# Altium PCB BabbleVR_PCB.PcbDoc (continued)
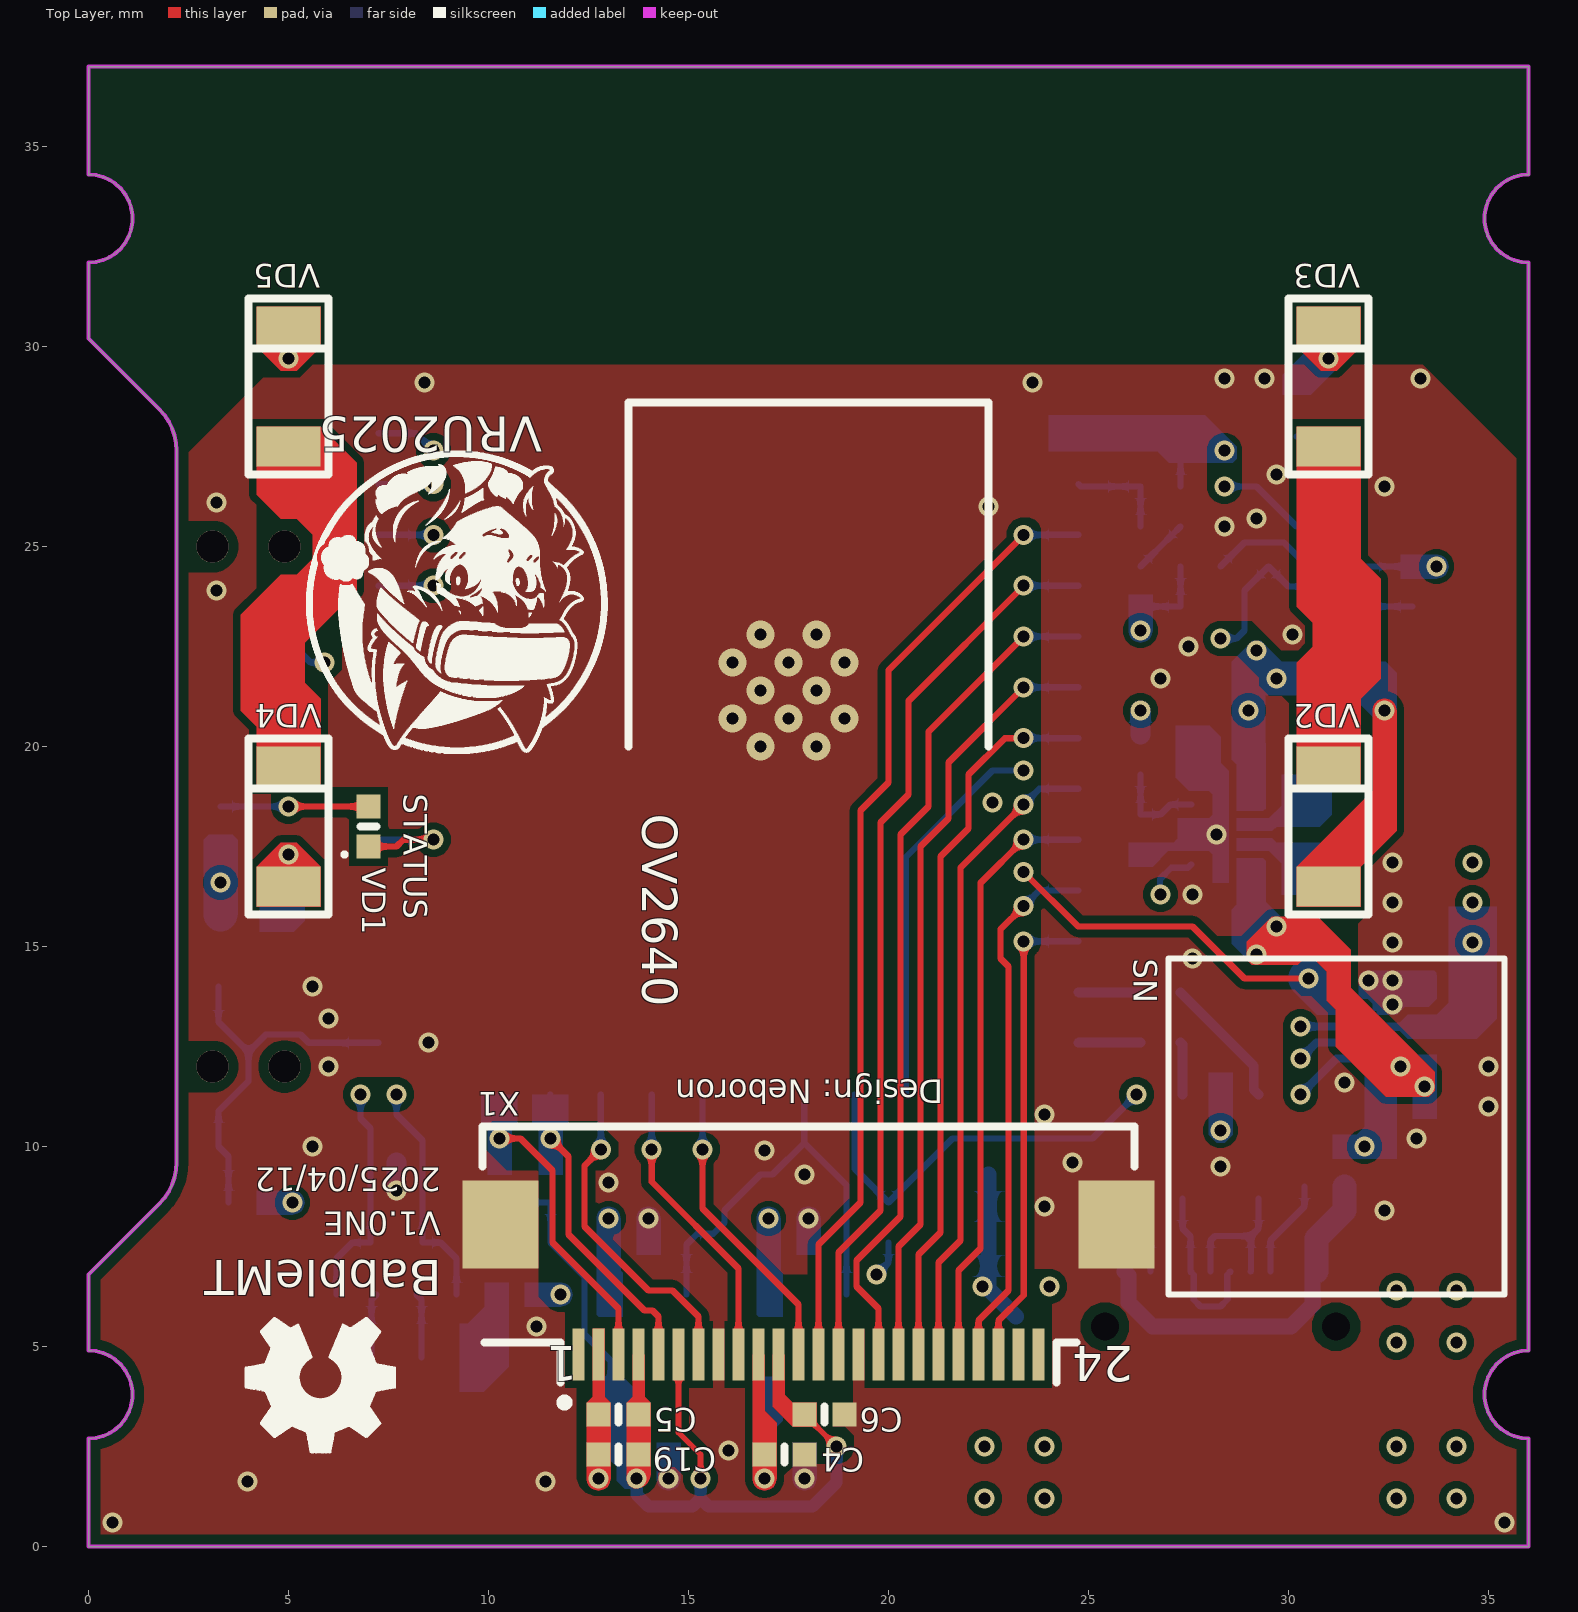
[diagram p0: Top Layer view]
## Components (designator, comment, footprint, x,y, rotation, side; value= is the part's Value field where it differs from the comment) (continued)
R16 "Resistor film, 22R, ±5%, 0402, 0.063W, -55...+125°C" "RES: 0402" 26.8,13.85 r0 bottom value=22R
R17 "Resistor film, 10k, ±5%, 0402, 0.063W, -55...+125°C" "RES: 0402" 20,8.1 r90 bottom value=10k
R18 "Resistor film, 5.1k, ±5%, 0402, 0.063W, -55...+125°C" "RES: 0402" 27.8,24.5 r0 bottom value=5.1k
R19 "Resistor film, 10k, ±5%, 0402, 0.063W, -55...+125°C" "RES: 0402" 27.8,23.5 r180 bottom value=10k
R20 "Resistor film, 510k, ±5%, 0402, 0.063W, -55...+125°C" "RES: 0402" 29.5,24 r90 bottom value=510k
R21 "Resistor film, 510k, ±5%, 0402, 0.063W, -55...+125°C" "RES: 0402" 33.1,24 r90 bottom value=510k
R22 "Resistor film, 10k, ±5%, 0402, 0.063W, -55...+125°C" "RES: 0402" 15,8.1 r90 bottom value=10k
R24 "Resistor film, 470R, ±5%, 0402, 0.063W, -55...+125°C" "RES: 0402" 8.7,6.3 r180 bottom value=470R
R25 "Resistor film, 470R, ±5%, 0402, 0.063W, -55...+125°C" "RES: 0402" 6.7,6.3 r0 bottom value=470R
SB1 "Tactile button, TS-1186F" "BUT: TS-1186F-B-A" 4,12 r90 bottom
SB2 "Tactile button, TS-1186F" "BUT: TS-1186F-B-A" 4,25 r90 bottom
TP1 "Test point, Keystone, 5001" "CON: TEST POINT 1 MM" 30.5,14.2 r180 bottom
VD1 "LED, Green, *, *, *, -55...+150°C" "LED: 0402R" 7,18 r90 top
VD2 "LED, 850...858nm, 35mA, 1.5V, 1206, -55...+150°C" "LED: 1206R" 31,18 r270 top
VD3 "LED, 850...858nm, 35mA, 1.5V, 1206, -55...+150°C" "LED: 1206R" 31,29 r270 top
VD4 "LED, 850...858nm, 35mA, 1.5V, 1206, -55...+150°C" "LED: 1206R" 5,18 r270 top
VD5 "LED, 850...858nm, 35mA, 1.5V, 1206, -55...+150°C" "LED: 1206R" 5,29 r270 top
VD6 "TVS, 5.5V, 2A, , , SC-70-3, -55...+150°C" SC-70 7.7,8.6 r90 bottom
VT1 "MOSFET N-channel transistor, 60V, 380mA, , 300mW, 2.3Ohm, 34pF, SC-70, -55...+150°C" SC-70 31.2,28.4 r0 bottom
VT2 "MOSFET Dula-channel transistor, 20V, 700mA, N-70pC, P-850pC, 1W, N-480mOhm, P-970mOhm, N-750pF, P-1000pF, SOT563, -55...+150°C" SOT563-6 31.3,24 r90 bottom
X1 "Connector, 24pin, 0.5mm, FFC/FPC, 0.5A" "CON: FFC/FPC-24-0.5(Hirose)" 18,8 r0 top
X2 "USB Type C, 5A" "CON: TYPE-C-SOFNG MC-311S" 28.3,5.5 r0 bottom
X3 "Connector, 2pin, 2mm, ," "CON: BAT (2.00)" 33.6,16.1 r180 bottom
X4 "Connector, 4pin, 1.25mm, 50VDC, 1A" "CON: SM04B-GHS" 7.7,0.3 r180 bottom

## Footprints (in the part's own frame and the unit in brackets; to place one, negate y for a bottom-side part, rotate by r counter-clockwise, add the part's x,y. Pads: shape width x height; smd on the part's side, far side on the other; paste and mask are expansions set on the pad)
8-DSBGA [mm] "1.783 x 0.983 mm, pitch 0.4 mm"
  round 0.23 smd mask+0.05: A1(-0.2,0.6) A2(0.2,0.6) B1(-0.2,0.2) B2(0.2,0.2) C1(-0.2,-0.2) C2(0.2,-0.2) D1(-0.2,-0.6) D2(0.2,-0.6)
  round 0.3 on Mech2: ""(-0.825,0.625)
  round 0.2 on Bottom Overlay mask+0.05: ""(-0.825,0.625)
  silkscreen extent -0.55,-0.95 0.55,0.95, body extent -0.49,-0.89 0.49,0.89, height 0.51
"BUT: TS-1186F-B-A" [mm] "XKB Connectivity Side Tactile Button"
  round 0.8 hole 0.8 unplated: 0(0,-0.9) 0(0,0.9)
  rect 1.2x1 smd: 1(-2,0.75) 1(2,0.75) 2(-2,-0.75) 2(2,-0.75)
  silkscreen extent -2.8,-1.5 2.8,1.5, body extent -2.4,-2.15 2.4,1.45, height 1.35
"CAP: 0402" [mm]
  rect 0.6x0.6 smd: 1(-0.5,0) 2(0.5,0)
  silkscreen extent 0,-0.2 0,0.2, body extent -0.52,-0.25 0.51,0.25, height 0.51
"CAP: 0603" [mm]
  rect 0.85x0.85 smd: 1(-0.7,0) 2(0.7,0)
  silkscreen extent -1.33,-0.63 1.33,0.63, body extent -0.8,-0.4 0.8,0.4, height 0.3
"CON: BAT (2.00)" [mm]
  rrect50% 1.2x2.5 smd: 1(-1,0) 2(1,0)
  silkscreen extent -1.9,-1.5 1.9,1.5
"CON: FFC/FPC-24-0.5(Hirose)" [mm]
  rect 0.3x1.3 smd: 1(-5.75,-3.2) 2(-5.25,-3.2) 3(-4.75,-3.2) 4(-4.25,-3.2) 5(-3.75,-3.2) 6(-3.25,-3.2) 7(-2.75,-3.2) 8(-2.25,-3.2) 9(-1.75,-3.2) 10(-1.25,-3.2) 11(-0.75,-3.2) 12(-0.25,-3.2) 13(0.25,-3.2) 14(0.75,-3.2) 15(1.25,-3.2) 16(1.75,-3.2) 17(2.25,-3.2) 18(2.75,-3.2) 19(3.25,-3.2) 20(3.75,-3.2) 21(4.25,-3.2) 22(4.75,-3.2) 23(5.25,-3.2) 24(5.75,-3.2)
  rect 1.9x2.2 smd: SH1(-7.7,0.05) SH2(7.7,0.05)
  silkscreen extent -8.15,-4.5 8.15,2.5, body extent -8.16,-3.22 8.14,2.53, height 2
"CON: SM04B-GHS" [mm]
  rect 1x2.7 smd: 0(-3.725,1.325) 0(3.725,1.325)
  rect 0.6x1.7 smd: 1(-1.875,4.425) 2(-0.625,4.425) 3(0.625,4.425) 4(1.875,4.425)
  round 0.5 on Mech13: ""(-3.65,4.4)
  round 0.5 on Bottom Overlay: ""(-2.95,4.625)
  silkscreen extent -4.2,0.1 4.2,4.85, body extent -4.1,0 4.15,4.85, height 4.32
"CON: TEST POINT 1 MM" [mm]
  round 1 smd: 1(0,0)
  silkscreen extent -0.7,-0.7 0.7,0.7
"CON: TYPE-C-SOFNG MC-311S" [mm]
  rect 0.6x1.2 smd mask+0.075: A1(3.2,-1.375) A4(2.4,-1.375) B1(-3.2,-1.375) B4(-2.4,-1.375)
  rect 0.3x1.2 smd mask+0.075: A5(1.25,-1.375) A6(0.25,-1.375) A7(-0.25,-1.375) A8(-1.25,-1.375) B5(-1.75,-1.375) B6(-0.75,-1.375) B7(0.75,-1.375) B8(1.75,-1.375)
  round 0 hole 0.7 mask+0.075: MH(-2.89,0) MH(2.89,0)
  rect 2.18x2 smd mask+0.075: SH1(-5.11,3.65) SH2(-5.11,-0.25) SH3(5.11,-0.25) SH4(5.11,3.65)
  silkscreen extent -4.5,1 4.5,2.5, body extent -5.5,-1.6 5.5,6.25, height 3.2
"IND: 0402" [mm]
  rect 0.6x0.6 smd: 1(-0.5,0) 2(0.5,0)
  silkscreen extent 0,-0.2 0,0.2, body extent -0.5,-0.25 0.5,0.25, height 0.5
"IND: 0805" [mm]
  rect 1x1.25 smd: 1(-1,0) 2(1,0)
  silkscreen extent -1.7,-0.82 1.7,0.82, body extent -1,-0.62 1,0.63, height 0.85
"LED: 0402R" [mm]
  rect 0.6x0.6 smd: 1(-0.5,0) 2(0.5,0)
  round 0.2 on Mech1: ""(-0.7,0.6)
  silkscreen extent -0.75,-0.2 0,0.65, body extent -0.5,-0.25 0.51,0.25, height 0.48
"LED: 1206R" [mm]
  rect 1x1.6 smd: 1(-1.5,0) 2(1.5,0)
  silkscreen extent -2.2,-1 2.2,1, body extent -1.6,-0.8 1.6,0.8, height 1.1
"MOD: ESP32-S3-WROOM-1" [mm]
  rect 3.7x3.7 smd paste-2539.97: 0(-1.5,-2.1)
  rect 1.5x0.9 smd: 1(-8.75,5.6) 2(-8.75,4.33) 3(-8.75,3.06) 4(-8.75,1.79) 5(-8.75,0.52) 6(-8.75,-0.75) 7(-8.75,-2.02) 8(-8.75,-3.29) 9(-8.75,-4.56) 10(-8.75,-5.83) 11(-8.75,-7.1) 12(-8.75,-8.37) 13(-8.75,-9.64) 14(-8.75,-10.91) 27(8.75,-10.91) 28(8.75,-9.64) 29(8.75,-8.37) 30(8.75,-7.1) 31(8.75,-5.83) 32(8.75,-4.56) 33(8.75,-3.29) 34(8.75,-2.02) 35(8.75,-0.75) 36(8.75,0.52) 37(8.75,1.79) 38(8.75,3.06) 39(8.75,4.33) 40(8.75,5.6)
  rect 0.9x1.5 smd: 15(-6.97,-12.2) 16(-5.7,-12.2) 17(-4.43,-12.2) 18(-3.16,-12.2) 19(-1.89,-12.2) 20(-0.62,-12.2) 21(0.65,-12.2) 22(1.92,-12.2) 23(3.19,-12.2) 24(4.46,-12.2) 25(5.73,-12.2) 26(7,-12.2)
  silkscreen extent -9,-12.4 9,13.1, body extent -9,-12.41 9,13.09, height 3.25
"RES: 0402" [mm]
  rect 0.6x0.6 smd: 1(-0.5,0) 2(0.5,0)
  silkscreen extent 0,-0.2 0,0.2, body extent -0.52,-0.25 0.48,0.25, height 0.34
"RES: 0603" [mm]
  rect 0.85x0.85 smd: 1(-0.7,0) 2(0.7,0)
  silkscreen extent -1.33,-0.63 1.33,0.63, body extent -0.8,-0.4 0.8,0.4, height 0.44
SC-70 [mm]
  rect 0.7x0.5 smd: 1(-1,0.65) 2(-1,-0.65) 3(1,0)
  round 0.5 on Mech2: ""(-0.7,0.7)
  silkscreen extent -0.35,-1 0.35,1, body extent -1.12,-1.1 1.12,1.1, height 1.1
SOT23-5 [mm] "pitch 0.95 mm"
  rect 1.1x0.6 smd: 1(-1.3,0.95) 2(-1.3,0) 3(-1.3,-0.95) 4(1.3,-0.95) 5(1.3,0.95)
  round 0.5 on Mech2: ""(-1.1,1.1)
  silkscreen extent -0.25,-1.4 0.25,1.4, body extent -1.5,-1.5 1.5,1.5, height 1.3
SOT23-6 [mm] "pitch 0.95 mm"
  rect 1.1x0.6 smd: 1(-1.3,0.95) 2(-1.3,0) 3(-1.3,-0.95) 5(1.3,0)
  rect 1.1x0.5 smd: 4(1.3,-0.95) 6(1.3,0.95)
  round 0.5 on Mech2: ""(-1,1.1)
  silkscreen extent -2.02,-1.3 0.25,1.83, body extent -1.4,-1.45 1.4,1.45, height 1.45
SOT563-6 [mm] "pitch 0.95 mm"
  rect 0.3x0.67 smd: 1(-0.5,-0.635) 2(0,-0.635) 3(0.5,-0.635) 4(0.5,0.635) 5(0,0.635) 6(-0.5,0.635)
  round 0.5 on Mech2: ""(-1.275,-0.7)
  silkscreen extent -1.35,-1.2 0.9,1.2, body extent -0.8,-0.8 0.8,0.8, height 0.61
SOT583-8 [mm] "pitch 0.5 mm"
  rect 0.66x0.32 smd mask+0.05: 1(-0.735,0.75) 2(-0.735,0.25) 3(-0.735,-0.25) 4(-0.735,-0.75) 5(0.735,-0.75) 6(0.735,-0.25) 7(0.735,0.25) 8(0.735,0.75)
  silkscreen extent -0.9,-1.05 0.09,1.35, body extent -0.8,-1.05 0.8,1.05, height 0.6

## Part data
C1 C7 C10 C11: library part Ceramic_0603, Manufacturer=Any, Package=0603, Temperature=-55...+125°C, Tolerance=±10%, TypeCapacitor="Ceramic capacitor", TypeDielectric=X5R, Voltage=6.3V, ValueManufacturerPartNumber="Ceramic capacitor, 22uF, X5R, ±10%, 6.3V, 0603, -55...+125°C"
C2: library part Ceramic_0402, Manufacturer=Any, Package=0402, Temperature=-55...+125°C, Tolerance=±10%, TypeCapacitor="Ceramic capacitor", TypeDielectric=X7R, Voltage=6.3V, ValueManufacturerPartNumber="Ceramic capacitor, 1uF, X7R, ±10%, 6.3V, 0402, -55...+125°C"
C3 C4 C5 C6 C9 C12 C13 C14 C15 C16 C17 C18 C19 C27 C33: library part Ceramic_0402, Manufacturer=Any, Package=0402, Temperature=-55...+125°C, Tolerance=±10%, TypeCapacitor="Ceramic capacitor", TypeDielectric=X7R, Voltage=16V
  C3 C18: ValueManufacturerPartNumber="Ceramic capacitor, 100nF, X7R, ±10%, 16V, 0402, -55...+125°C"
  C4 C5 C6 C19: ValueManufacturerPartNumber="Ceramic capacitor, 4.7uF, X7R, ±10%, 16V, 0402, -55...+125°C"
  C9: ValueManufacturerPartNumber="Ceramic capacitor, 0.1uF, X7R, ±10%, 16V, 0402, -55...+125°C"
  C12 C13 C14 C15 C16 C17 C27 C33: ValueManufacturerPartNumber="Ceramic capacitor, 1uF, X7R, ±10%, 16V, 0402, -55...+125°C"
C8: library part Ceramic_0603, Manufacturer=Any, Package=0603, Temperature=-55...+125°C, Tolerance=±10%, TypeCapacitor="Ceramic capacitor", TypeDielectric=X7R, Voltage=16V, ValueManufacturerPartNumber="Ceramic capacitor, 0.1uF, X7R, ±10%, 16V, 0603, -55...+125°C"
D1: library part ESP32-S3-WROOM-1-N8R8, "Wi-Fi", Manufacturer="Espressif Systems", Package=18x25.5x3.1, Temperature=-40...+85°C, ComponentType="Wi-Fi module", Core="32 bit", HelpURL=https://www.espressif.com/sites/default/files/documentation/esp32-s3-wroom-1_wroom-1u_datasheet_en.pdf, PartNumber=ESP32-S3-WROOM-1-N8R8, TypeInterface="SD card, UART, SPI, SDIO, I2C, LED PWM, Motor PWM, I2S, IR, pulse counter, GPIO, capacitive touch sensor, ADC, DAC", TypeStandart="WiFi 802.11 b/g/n (802.11n up to 150 Mbps) / Bluetooth v4.2 BR/EDR and BLE specification", ValueManufacturerPartNumber="Wi-Fi module, WiFi 802.11 b/g/n (802.11n up to 150 Mbps) / Bluetooth v4.2 BR/EDR and BLE specification, 32 bit, SD card, UART, SPI, SDIO, I2C, LED PWM, Motor PWM, I2S, IR, pulse counter, GPIO, capacitive touch sensor, ADC, DAC, -40...+85°C, 18x25.5x3.1"
D2: library part TPS631000DRLR, "Buck-boost converter", CurrentOutput=1.5A, Frequency=2.4MHz, Manufacturer="Texas Instruments", Package=SOT-583, Temperature=-40...+125°C, VoltageInput=1.6...5.5V, VoltageOutput=1.2...5.3V, ComponentType="DC/DC buck-boost converter", HelpURL=https://www.ti.com/lit/ds/symlink/tps631000.pdf?ts=1735302154310&ref_url=https%253A%252F%252Fwww.ti.com%252Fproduct%252FTPS631000, PartNumber=TPS631000DRLR, ValueManufacturerPartNumber="DC/DC buck-boost converter, 1.6...5.5V, 2.4MHz, 1.2...5.3V, 1.5A, -40...+125°C, SOT-583"
D3: library part USBLC6-2, "ESD protection", Manufacturer=STMicroelectronics, Package=SOT23-6L, Temperature=-40...+125°C, ComponentType="ESD protection", HelpURL=https://www.st.com/resource/en/datasheet/usblc6-2.pdf, Isolation=8kV, PartNumber=USBLC6-2, ValueManufacturerPartNumber="ESD protection, , 8kV, , -40...+125°C, SOT23-6L"
D4: library part AP2139AK-2.8TRG1, "Linear voltage regulator 2.8V", CurrentOutput=0.25A, Manufacturer="Diodes Incorporated", Package=SOT23-5, Temperature=-40...+85°C, VoltageInput=2.9...6V, VoltageOutput=1.5V, ComponentType="Linear voltage regulator", HelpURL=https://www.lcsc.com/datasheet/lcsc_datasheet_2304140030_Diodes-Incorporated-AP2139AK-1-5TRG1_C460336.pdf, MaxDropout=0.5V, PartNumber=AP2139AK-2.8TRG1, ValueManufacturerPartNumber="Linear voltage regulator, 2.9...6V, 0.5V, 1.5V, 0.25A, -40...+85°C, SOT23-5"
D5: library part BQ25180YBGR, "Charger", CurrentOutput=1A, Manufacturer="Texas Instruments", Package=8-DSBGA, Temperature=-40...+125°C, VoltageInput="input 4.35...26V", ComponentType="Charger li-ion battery", HelpURL=https://www.ti.com/lit/ds/symlink/bq25180.pdf?ts=1686486458082&ref_url=https%253A%252F%252Fwww.ti.com%252Fpower-management%252Fbattery-management%252Fcharger-ics%252Fproducts.html, PartNumber=BQ25180YBGR, ValueManufacturerPartNumber="Charger li-ion battery, input 4.35...26V, , 1A, -40...+125°C, 8-DSBGA"
D6: library part TLV70212DBVR, "Linear voltage regulator 1.2V", CurrentOutput=0.3A, Manufacturer="Texas Instruments", Package=SOT23-5, Temperature=-40...+85°C, VoltageInput=2...5.5V, VoltageOutput=1.2V, ComponentType="Linear voltage regulator", HelpURL=https://www.lcsc.com/datasheet/lcsc_datasheet_1810121324_Texas-Instruments-TLV70212DBVR_C81462.pdf, MaxDropout=0.26V, PartNumber=TLV70212DBVR, ValueManufacturerPartNumber="Linear voltage regulator, 2...5.5V, 0.26V, 1.2V, 0.3A, -40...+85°C, SOT23-5"
L1 L3: library part Inductor_0402, Manufacturer="Murata Electronics", MaxCurrent=900mA, Package=0402, PartNumber=BLM15PX601SN1D, Temperature=-55...+125°C, Tolerance=±25%, TypeInductor="Fixed inductor", HelpURL=https://www.lcsc.com/datasheet/lcsc_datasheet_2304140030_Murata-Electronics-BLM15PX601SN1D_C160977.pdf, ValueManufacturerPartNumber="Fixed inductor, BEAD, ±25%, 0402, 900mA, -55...+125°C"
L2: library part Inductor_0805, Manufacturer="Taiyo Yuden", MaxCurrent=2.2A, Package=0805, PartNumber=MAKK2016T1R0M, Temperature=-55...+125°C, Tolerance=±20%, TypeInductor="Fixed inductor", HelpURL=https://www.mouser.ee/datasheet/2/396/wound10_e-1396630.pdf, ValueManufacturerPartNumber="Fixed inductor, 1μH, ±20%, 0805, 2.2A, -55...+125°C"
R1 R2 R4 R5 R6 R7 R11 R12 R13 R14 R15 R16 R17 R18 R19 R20 R21 R22: library part Resistor_0402, Manufacturer=Any, Package=0402, Power=0.063W, Temperature=-55...+125°C, Tolerance=±5%, TypeResistor="Resistor film"
  R1 R2 R4 R5 R7 R17 R19 R22: ValueManufacturerPartNumber="Resistor film, 10k, ±5%, 0402, 0.063W, -55...+125°C"
  R6 R15 R16: ValueManufacturerPartNumber="Resistor film, 22R, ±5%, 0402, 0.063W, -55...+125°C"
  R11 R12 R18: ValueManufacturerPartNumber="Resistor film, 5.1k, ±5%, 0402, 0.063W, -55...+125°C"
  R13 R20 R21: ValueManufacturerPartNumber="Resistor film, 510k, ±5%, 0402, 0.063W, -55...+125°C"
  R14: ValueManufacturerPartNumber="Resistor film, 91k, ±5%, 0402, 0.063W, -55...+125°C"
R3 R24 R25: library part Resistor_0402, Manufacturer=Yageo, Package=0402, PartNumber=RC0402JR-07100RL, Power=0.063W, Temperature=-55...+125°C, Tolerance=±5%, TypeResistor="Resistor film", HelpURL=https://www.digikey.com/product-detail/en/yageo/RC0402JR-07100RL/311-100JRCT-ND/729362, ValueManufacturerPartNumber="Resistor film, 470R, ±5%, 0402, 0.063W, -55...+125°C"
R8 R9 R10: library part Resistor_0603, Manufacturer=Any, Package=0603, Power=0.1W, Temperature=-55...+125°C, Tolerance=±5%, TypeResistor="Resistor film"
  R8 R9: ValueManufacturerPartNumber="Resistor film, 9.1R, ±5%, 0603, 0.1W, -55...+125°C"
  R10: ValueManufacturerPartNumber="Resistor film, 330R, ±5%, 0603, 0.1W, -55...+125°C"
SB1 SB2: library part Button_tactile, Manufacturer="XKB Connection", Package=TS-1186F, PartNumber=TS-1186F-C-A, HelpURL=https://www.lcsc.com/product-detail/Tactile-Switches_XKB-Connection-TS-1186F-C-A_C908471.html, TypeButton="Tactile button", ValueManufacturerPartNumber="Tactile button, TS-1186F"
  SB1: CommentText=FLASH
  SB2: CommentText=POWER
TP1: library part Connector_Test_Point, Manufacturer=Keystone, PartNumber=5001, HelpURL=https://www.digikey.com/product-detail/en/keystone-electronics/5001/36-5001-ND/255327, TypeConnector="Test point", ValueManufacturerPartNumber="Test point, Keystone, 5001"
VD1: library part LED_single, Color=R, ColorParameter=Green, Temperature=-55...+150°C, TypeDiode=LED, ValueManufacturerPartNumber="LED, Green, *, *, *, -55...+150°C"
VD2 VD3 VD4 VD5: library part LED_single, Color=IR, ColorParameter=850...858nm, Current=35mA, Manufacturer=XINGLIGHT, Package=1206, PartNumber=XL-3216HIRC-850, Temperature=-55...+150°C, VoltageDrop=1.5V, HelpURL=https://www.lcsc.com/datasheet/lcsc_datasheet_2409271733_XINGLIGHT-XL-3216HIRC-850_C965891.pdf, TypeDiode=LED, ValueManufacturerPartNumber="LED, 850...858nm, 35mA, 1.5V, 1206, -55...+150°C"
VD6: library part TVS_array, Current=2A, Manufacturer=Littelfuse, Package=SC-70-3, PartNumber=SP1001-02JTG, Temperature=-55...+150°C, Voltage=5.5V, HelpURL=https://www.lcsc.com/datasheet/lcsc_datasheet_2410010304_Littelfuse-SP1001-02JTG_C151300.pdf, TypeDiode=TVS, ValueManufacturerPartNumber="TVS, 5.5V, 2A, , , SC-70-3, -55...+150°C"
VT1: library part MOSFET_N_123, CurrentDS=380mA, InputCapacitor=34pF, Manufacturer=LRC, MaxPower=300mW, Package=SC-70, PartNumber=L2N7002KWT1G, Temperature=-55...+150°C, VoltageDS=60V, HelpURL=https://www.lcsc.com/datasheet/lcsc_datasheet_2111041830_LRC-L2N7002KWT1G_C2912011.pdf, RDS=2.3Ohm, TypeTransistor="MOSFET N-channel transistor", ValueManufacturerPartNumber="MOSFET N-channel transistor, 60V, 380mA, , 300mW, 2.3Ohm, 34pF, SC-70, -55...+150°C"
VT2: library part MOSFET_DUAL_NP_ISO, CurrentDS=700mA, InputCapacitor="N-750pF, P-1000pF", Manufacturer="Diodes Incorporated", MaxPower=1W, Package=SOT563, PartNumber=DMC2400UV, Temperature=-55...+150°C, VoltageDS=20V, GateCharge="N-70pC, P-850pC", HelpURL=https://www.mouser.ee/datasheet/2/115/DIOD_S_A0010038249_1-2543538.pdf, RDS="N-480mOhm, P-970mOhm", TypeTransistor="MOSFET Dula-channel transistor", ValueManufacturerPartNumber="MOSFET Dula-channel transistor, 20V, 700mA, N-70pC, P-850pC, 1W, N-480mOhm, P-970mOhm, N-750pF, P-1000pF, SOT563, -55...+150°C"
X1: library part "Connector_FFC_24 (TF31-24S-0.5SH(800))", CurrentMax=0.5A, Manufacturer=Hirose, PartNumber=TF31-24S-0.5SH(800), VoltageMax=FFC/FPC, CommentText=OV2640, HelpURL=https://www.lcsc.com/datasheet/lcsc_datasheet_2410291517_HRS-Hirose-TF31-24S-0-5SH-800_C3169854.pdf, Multichannel=24pin, Pitch=0.5mm, TypeConnector=Connector, ValueManufacturerPartNumber="Connector, 24pin, 0.5mm, FFC/FPC, 0.5A"
X2: library part Connector_USB_Type_C, CurrentMax=5A, Manufacturer=GCT, PartNumber=TYPEC-304YSSW-ACP16, CommentText="SOC HOST", HelpURL=https://www.mouser.ee/datasheet/2/837/GCT_USB4110_Product_Drawing___20k_cycles-3455479.pdf, TypeConnector="USB Type C", ValueManufacturerPartNumber="USB Type C, 5A"
X3: library part Connector_BAT-2, CommentText=Battery, HelpURL=https://www.chipdip.ru/product/cwf-2r-ds1069-2-mr, Multichannel=2pin, Pitch=2mm, TypeConnector=Connector, ValueManufacturerPartNumber="Connector, 2pin, 2mm, ,"
X4: library part Connector_SM04B, CurrentMax=1A, Manufacturer=JST, PartNumber=SM04B-GHS, VoltageMax=50VDC, CommentText="NeuroSky Extension", HelpURL=https://www.digikey.com/product-detail/en/jst-sales-america-inc/SM04B-GHS-TB-LF-SN/455-1566-1-ND/807834, Multichannel=4pin, Pitch=1.25mm, TypeConnector=Connector, ValueManufacturerPartNumber="Connector, 4pin, 1.25mm, 50VDC, 1A"

## Via types
v1: diameter 0.5, hole 0.3, Top Layer to Bottom Layer, tented both sides, 132 vias
v2: diameter 0.7, hole 0.3, Top Layer to Bottom Layer, 12 vias
